# KiCad board Module_16S.kicad_pcb
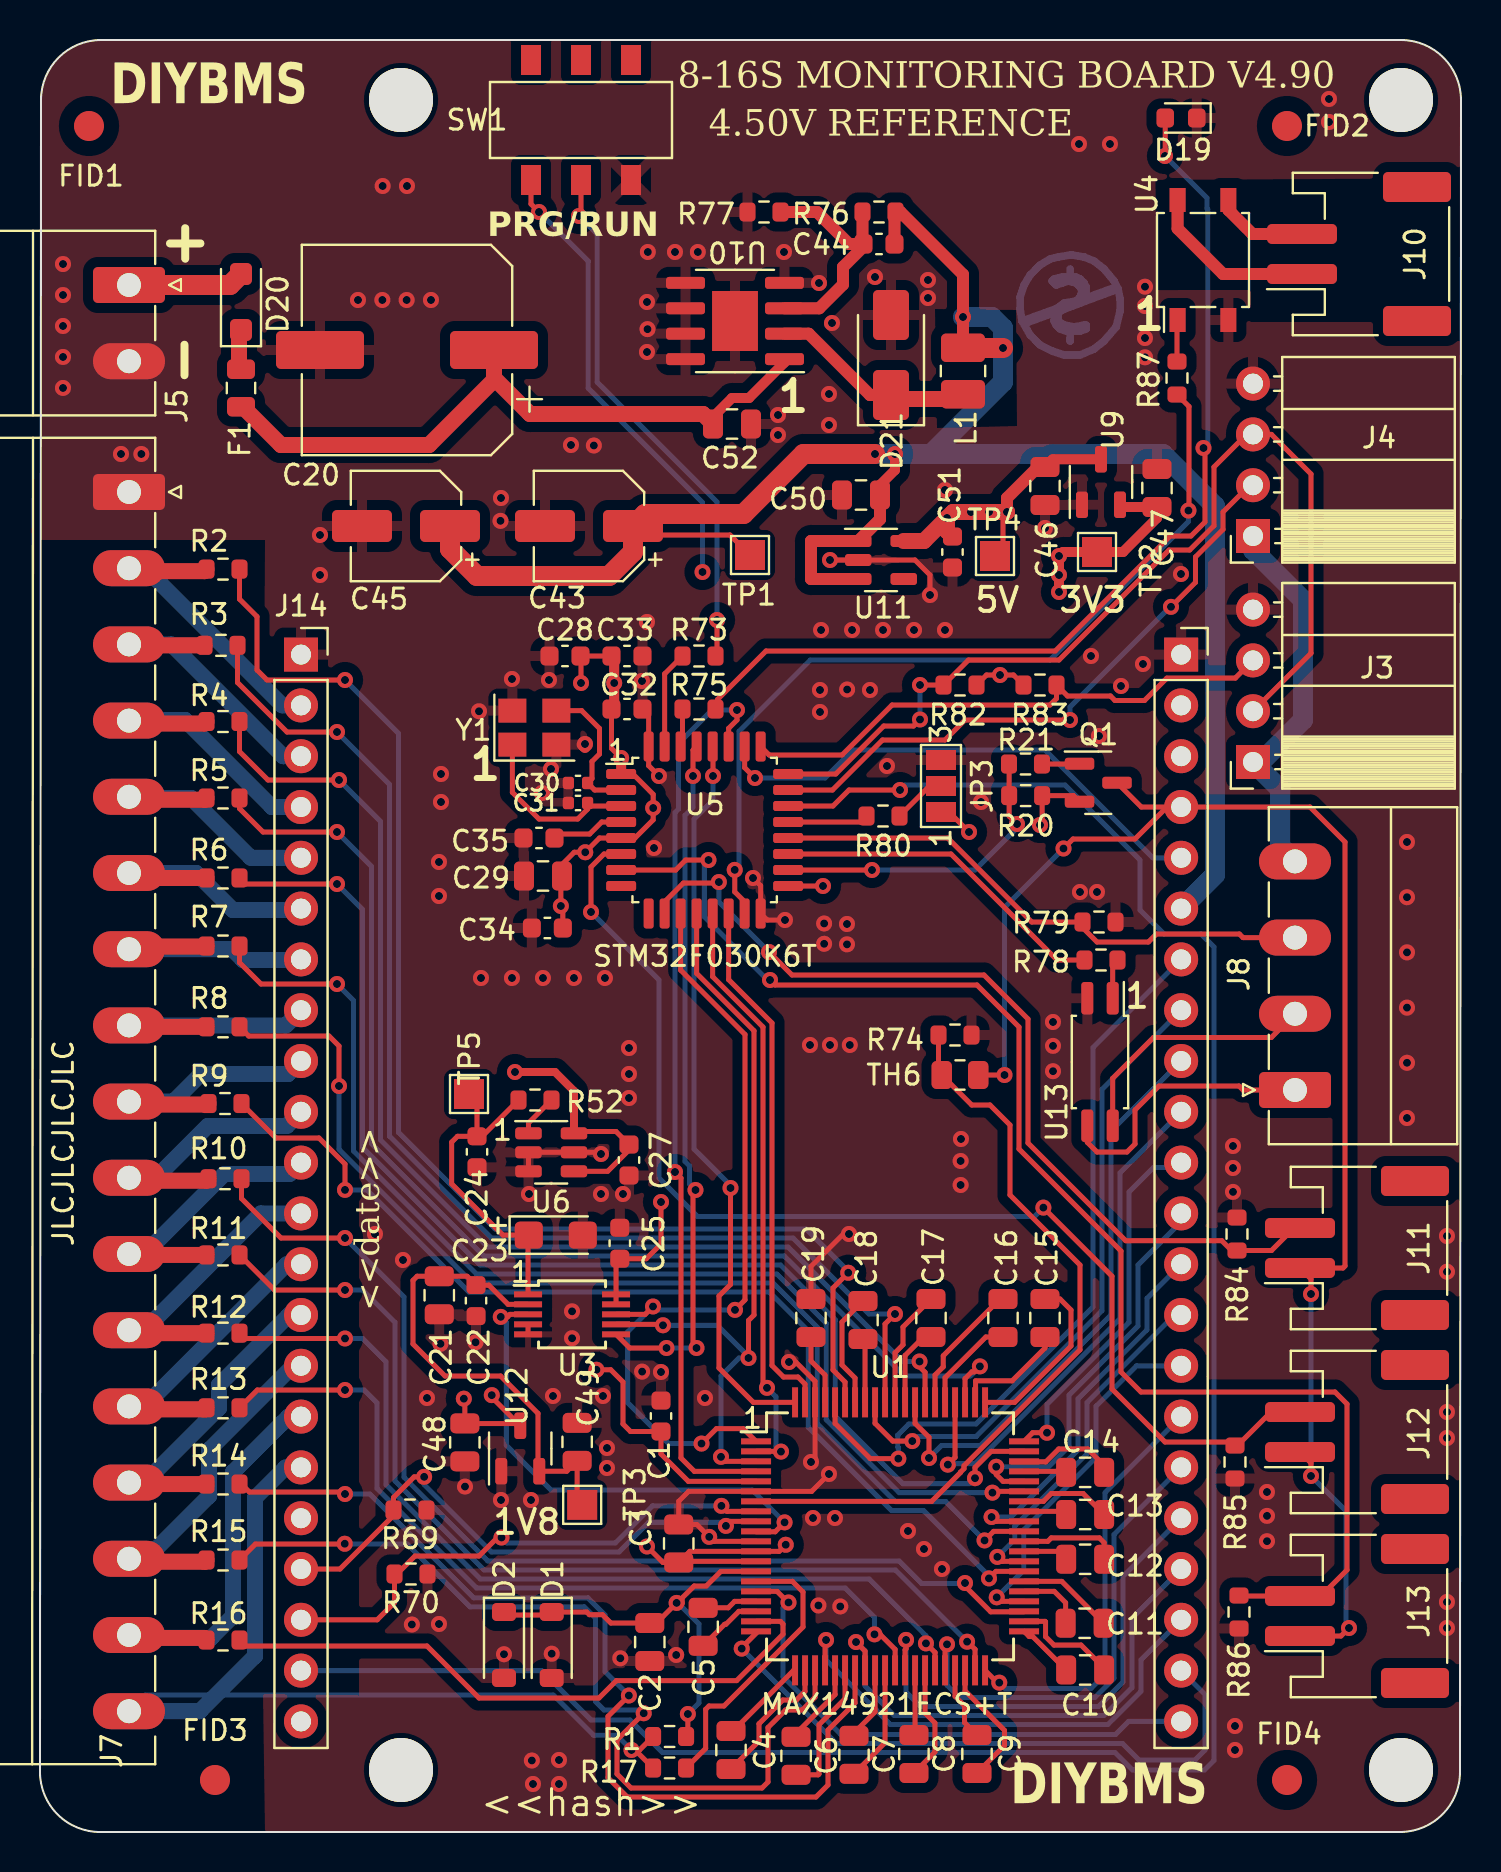
[diagram p0: board, top side]
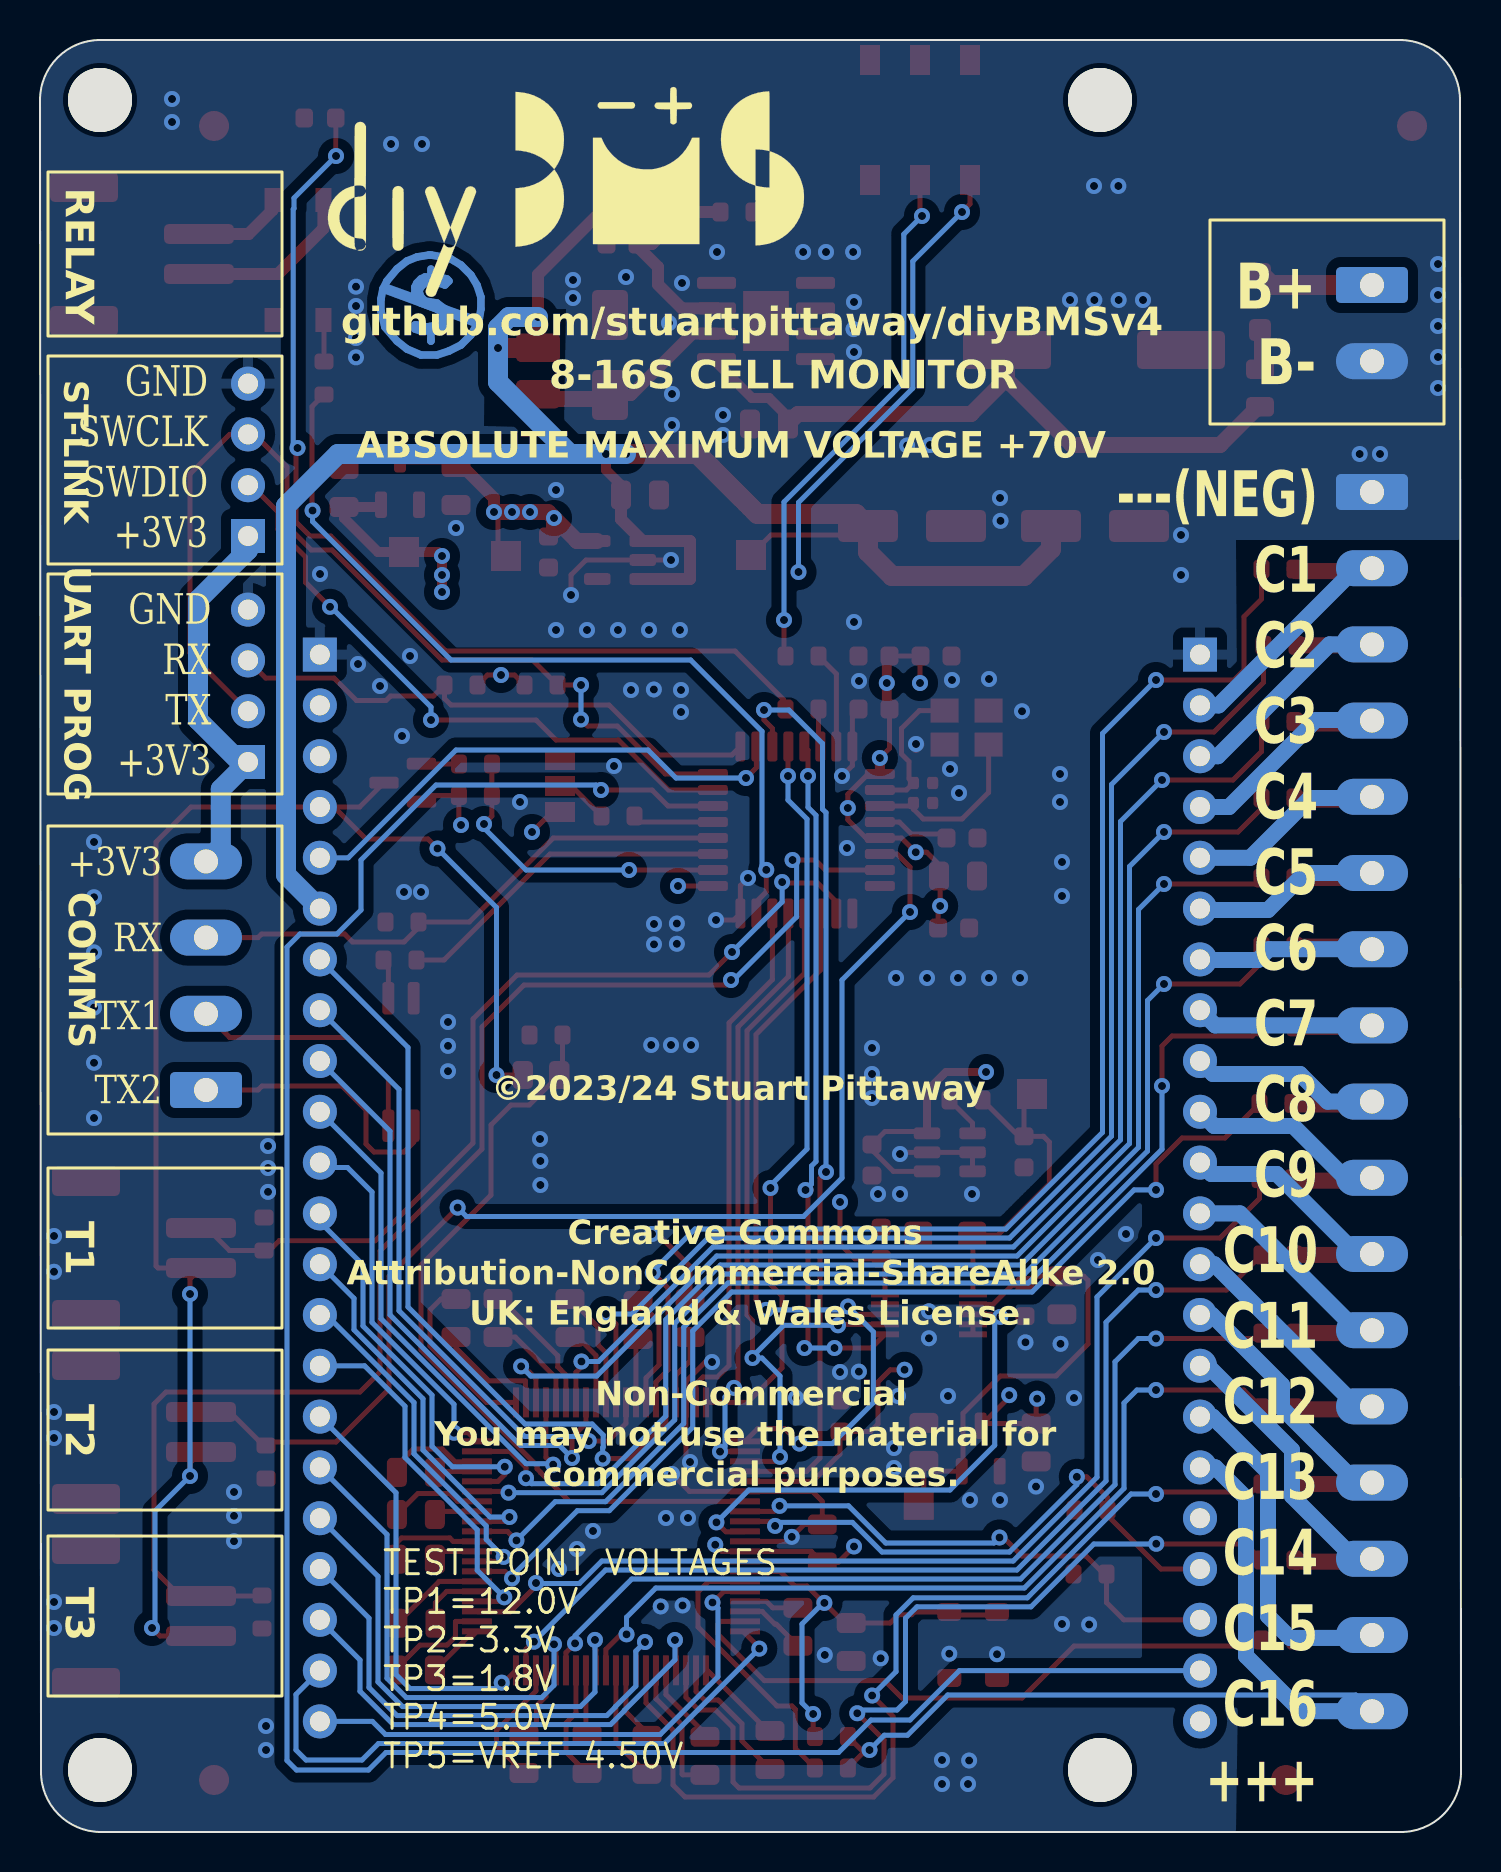
[diagram p1: board, bottom side, seen from below]

Outline 71.05 x 89.6 mm; copper layers: Top, In1.Cu (plane), In2.Cu (plane), Bottom. Coordinates in mm from the lower left corner of the outline.
Outline path: 0,3 0.05,86.6 arc(0.93,88.72) 3.05,89.6 68.05,89.6 arc(70.17,88.72) 71.05,86.6 71,3 arc(70.14,0.9) 68.05,0 3.05,0 arc(0.9,0.86) 0,3
Stack: Top 0.035mm / dielectric 0.1mm FR4 er 4.5 / In1.Cu 0.035mm / dielectric 1.24mm FR4 er 4.5 / In2.Cu 0.035mm / dielectric 0.1mm FR4 er 4.5 / Bottom 0.035mm

## Placement (name value [footprint] x y rotation side)
C1  100nF 50V  [C_0603_1608Metric]  31.05 20.8 90 top
C2  100nF 100V  [C_0805_2012Metric]  30.49 9.5 270 top
C3  1uF  [C_0805_2012Metric]  31.94 14.43 90 top
C4  1uF  [C_0805_2012Metric]  34.55 4.1 270 top
C5  1uF  [C_0805_2012Metric]  33.16 10.26 270 top
C6  1uF  [C_0805_2012Metric]  37.8 3.81 270 top
C7  1uF  [C_0805_2012Metric]  40.7 3.86 270 top
C8  1uF  [C_0805_2012Metric]  43.7 3.9 270 top
C9  1uF  [C_0805_2012Metric]  46.85 3.9 270 top
C10  1uF  [C_0805_2012Metric]  52.26 8.1 0 top
C11  1uF  [C_0805_2012Metric]  52.23 10.44 0 top
C12  1uF  [C_0805_2012Metric]  52.26 13.64 0 top
C13  1uF  [C_0805_2012Metric]  52.26 15.87 0 top
C14  1uF  [C_0805_2012Metric]  52.26 17.98 0 top
C15  1uF  [C_0805_2012Metric]  50.25 25.7 270 top
C16  1uF  [C_0805_2012Metric]  48.15 25.7 90 top
C17  1uF  [C_0805_2012Metric]  44.55 25.7 90 top
C18  1uF  [C_0805_2012Metric]  41.15 25.6 90 top
C19  1uF  [C_0805_2012Metric]  38.55 25.7 90 top
C20  33uF 100V ±20% D10xL8.4mm  [CP_Elec_10x7.9]  18.35 74.1 180 top
C21  1uF  [C_0805_2012Metric]  19.96 26.84 270 top
C22  100nF 50V  [C_0603_1608Metric]  21.8 26.57 270 top
C23  10uF tantalum  [CP_EIA-3216-18_Kemet-A]  25.79 29.84 0 top
C24  100pF  [C_0603_1608Metric]  21.85 34.01 90 top
C25  100nF 50V  [C_0603_1608Metric]  28.99 29.44 90 top
C27  2.2uF  [C_0603_1608Metric]  29.45 33.6 90 top
C28  100nF 50V  [C_0603_1608Metric]  26.25 58.8 0 top
C29  1uF  [C_0805_2012Metric]  25.15 47.8 0 top
C30  14pF  [C_0402_1005Metric]  26.9 52.45 0 top
C31  14pF  [C_0402_1005Metric]  26.9 51.45 0 top
C32  100nF 50V  [C_0603_1608Metric]  29.35 56.15 180 top
C33  4.7uF  [C_0603_1608Metric]  29.35 58.8 180 top
C34  10nF  [C_0603_1608Metric]  25.37 45.2 0 top
C35  100nF 50V  [C_0603_1608Metric]  24.95 49.7 0 top
C43  47uF 16V  [CP_Elec_5x5.4]  27.45 65.3 180 top
C44  33nF  [C_0603_1608Metric]  41.95 79.4 180 top
C45  47uF 16V  [CP_Elec_5x5.4]  18.3 65.3 180 top
C46  1uF  [C_0805_2012Metric]  50.25 67.3 270 top
C47  1uF  [C_0805_2012Metric]  55.85 67.2 90 top
C48  1uF  [C_0805_2012Metric]  21.24 19.48 270 top
C49  1uF  [C_0805_2012Metric]  26.86 19.51 90 top
C50  1uF  [C_0805_2012Metric]  41.05 66.85 180 top
C51  2.2uF  [C_0603_1608Metric]  45.63 64 270 top
C52  100nF 100V  [C_0805_2012Metric]  34.6 70.4 0 top
D1  68V, 500mW zener diode  [D_SOD-123]  25.59 9.35 270 top
D2  100V, 200mW Schottky diodes  [D_SOD-123]  23.2 9.35 270 top
D19  White  [LED_0603_1608Metric]  57.05 85.7 180 top
D20  1N4002W  [D_SOD-123F]  10.05 76.5 90 top
D21  SS210  [D_SMA]  42.55 73.85 90 top
F1  Fuse 30mA  [Fuse_0805_2012Metric]  10.05 72.2 270 top
FID1  Fiducial  [Fiducial_1.5mm_Mask3mm]  2.45 85.3 0 top
FID2  Fiducial  [Fiducial_1.5mm_Mask3mm]  62.35 85.3 0 top
FID3  Fiducial  [Fiducial_1.5mm_Mask3mm]  8.75 2.6 0 top
FID4  Fiducial  [Fiducial_1.5mm_Mask3mm]  62.35 2.6 0 top
H5  MountingHole  [MountingHole_3.2mm_M3_ISO7380]  68.05 3.1 0 top
H6  MountingHole  [MountingHole_3.2mm_M3_ISO7380]  18.05 86.6 0 top
H7  MountingHole  [MountingHole_3.2mm_M3_ISO7380]  18.05 3.1 0 top
H8  MountingHole  [MountingHole_3.2mm_M3_ISO7380]  68.05 86.6 0 top
J3  UART_PROG  [PinSocket_1x04_P2.54mm_Horizontal]  60.65 53.5 180 top
J4  ST_LINK  [PinSocket_1x04_P2.54mm_Horizontal]  60.65 64.8 180 top
J5  POWER_IN  [PhoenixContact_MC_1,5_2-G-3.81_1x02_P3.81mm_Horizontal]  4.45 77.35 270 top
J7  CELL CONNECTOR  [WJ15EDGRC-3.81-17P]  4.45 67 270 top
J8  TXRX  [PhoenixContact_MC_1,5_4-G-3.81_1x04_P3.81mm_Horizontal]  62.75 37.1 90 top
J10  RELAY  [JST_PH_S2B-PH-SM4-TB_1x02-1MP_P2.00mm_Horizontal]  65.95 78.9 90 top
J11  TEMP1  [JST_PH_S2B-PH-SM4-TB_1x02-1MP_P2.00mm_Horizontal]  65.85 29.2 90 top
J12  TEMP2  [JST_PH_S2B-PH-SM4-TB_1x02-1MP_P2.00mm_Horizontal]  65.85 20 90 top
J13  TEMP3  [JST_PH_S2B-PH-SM4-TB_1x02-1MP_P2.00mm_Horizontal]  65.85 10.8 90 top
J14  BALANCE BOARD  [PinSocket_1x22_P2.54mm_Vertical]  13.05 58.87 0 top
J15  BALANCE BOARD  [PinSocket_1x22_P2.54mm_Vertical]  57.06 58.87 0 top
JP3  SolderJumper_3_Open  [SolderJumper-3_P1.3mm_Open_Pad1.0x1.5mm_NumberLabels]  45.05 52.3 90 top
L1  100uH  [L_1008_2520Metric_Pad1.43x2.20mm_HandSolder]  46.15 73.05 90 top
Q1  AO3401A  [SOT-23]  52.91 52.46 0 top
R1  100R  [R_0603_1608Metric]  31.48 4.77 180 top
R2  3K3 1%  [R_0603_1608Metric]  9.15 63.14 180 top
R3  3K3 1%  [R_0603_1608Metric]  9.05 59.33 180 top
R4  3K3 1%  [R_0603_1608Metric]  9.15 55.52 180 top
R5  3K3 1%  [R_0603_1608Metric]  9.15 51.7 180 top
R6  3K3 1%  [R_0603_1608Metric]  9.15 47.7 180 top
R7  3K3 1%  [R_0603_1608Metric]  9.15 44.3 180 top
R8  3K3 1%  [R_0603_1608Metric]  9.15 40.26 180 top
R9  3K3 1%  [R_0603_1608Metric]  9.25 36.42 180 top
R10  3K3 1%  [R_0603_1608Metric]  9.25 32.66 180 top
R11  3K3 1%  [R_0603_1608Metric]  9.15 28.85 180 top
R12  3K3 1%  [R_0603_1608Metric]  9.15 24.94 180 top
R13  3K3 1%  [R_0603_1608Metric]  9.15 21.21 180 top
R14  3K3 1%  [R_0603_1608Metric]  9.15 17.4 180 top
R15  3K3 1%  [R_0603_1608Metric]  9.15 13.6 180 top
R16  3K3 1%  [R_0603_1608Metric]  9.15 9.6 180 top
R17  3K3 1%  [R_0603_1608Metric]  31.48 3.2 180 top
R20  10K 1%  [R_0603_1608Metric]  49.28 51.82 0 top
R21  330R  [R_0603_1608Metric]  49.27 53.4 0 top
R52  100R  [R_0603_1608Metric]  24.75 36.6 180 top
R69  10K 1%  [R_0603_1608Metric]  18.5 16.1 180 top
R70  10K 1%  [R_0603_1608Metric]  18.55 12.9 180 top
R73  10K 1%  [R_0603_1608Metric]  32.95 58.8 180 top
R74  10K 1%  [R_0603_1608Metric]  45.75 39.85 180 top
R75  3K3 1%  [R_0603_1608Metric]  32.95 56.15 180 top
R76  43K 1%  [R_0603_1608Metric]  41.95 81 180 top
R77  4.99kΩ 1%  [R_0603_1608Metric]  36.2 81 180 top
R78  330R  [R_0603_1608Metric]  53.05 43.6 0 top
R79  2K2  [R_0603_1608Metric]  52.95 45.5 0 top
R80  10K 1%  [R_0603_1608Metric]  42.15 50.8 0 top
R82  100K  [R_0603_1608Metric]  46 57.35 0 top
R83  100K  [R_0603_1608Metric]  50 57.35 180 top
R84  10K 1%  [R_0603_1608Metric]  59.85 29.9 90 top
R85  10K 1%  [R_0603_1608Metric]  59.75 18.5 270 top
R86  10K 1%  [R_0603_1608Metric]  59.95 11 270 top
R87  330R  [R_0603_1608Metric]  56.85 72.7 90 top
SW1  Boot_Mode  [MST22D18G2 125]  27.05 85.6 0 top
SYM01  -  [Symbol_CC-Noncommercial_CopperTop_Small]  51.5 76.35 180 bottom
SYM02  LOGO  [diybms_logo_24x10mm]  44.75 82 180 bottom
TH6  10K NTC  [R_0805_2012Metric]  46 37.85 180 top
TP1  TEST_12V  [TestPoint_Pad_1.5x1.5mm]  35.5 63.85 180 top
TP2  TEST_3V3  [TestPoint_Pad_1.5x1.5mm]  52.85 64 90 top
TP3  TEST_1V8  [TestPoint_Pad_1.5x1.5mm]  27.11 16.36 90 top
TP4  TEST_5V  [TestPoint_Pad_1.5x1.5mm]  47.75 63.8 0 top
TP5  TEST_VREF  [TestPoint_Pad_1.5x1.5mm]  21.45 36.9 270 top
U1  MAX14921ECS+T  [TQFP-80_12x12mm_P0.5mm]  42.5 14.78 0 top
U3  MCP33151-05-E/MS  [MSOP-10_3x3mm_P0.5mm]  26.6 25.88 0 top
U4  RELAY1  [SO-4_4.4x4.3mm_P2.54mm]  58.15 78.6 90 top
U5  STM32F030K6Tx  [LQFP-32_7x7mm_P0.8mm]  33.23 50.1 0 top
U6  MCP1502T-45E/CHY  [SOT-23-6]  25.56 33.98 0 top
U9  XC6206-3.3V  [SOT-23-3]  53.05 67.5 90 top
U10  XL7005A  [SOIC-8-1EP_3.9x4.9mm_P1.27mm_EP2.29x3mm]  34.75 75.55 180 top
U11  AP2204K-5.0TRG1  [SOT-23-5]  42.05 63.6 0 top
U12  XC6206-1.8NR  [SOT-23-3]  24.01 19.18 90 top
U13  EL3H7(B)(TA)-G  [SOP-4_4.4x2.6mm_P1.27mm]  53 38.5 270 top
Y1  8MHZ  [Crystal_SMD_3225-4Pin_3.2x2.5mm]  24.72 55.22 0 top

## Library data of the parts
C1 C22 C25 C28 C32 C35 = -: Description: Unpolarized capacitor; LCSCStockCode: C14663; PartNumber: CC0603KRX7R9BB104
C2 = -: Description: Unpolarized capacitor; LCSCStockCode: C28233; PartNumber: CL21B104KCFNNNE
C3 C21 C29 = -: Description: Unpolarized capacitor; LCSCStockCode: C28323; PartNumber: CL21B105KBFNNNE
C4-C19 C46-C50 = -: Description: Unpolarized capacitor, small symbol; LCSCStockCode: C28323; PartNumber: CL21B105KBFNNNE
C20 = -: Description: Polarized capacitor; LCSCStockCode: C486954; PartNumber: VK7E0842A330MV
C23 = -: Description: Polarized capacitor; LCSCStockCode: C7171; PartNumber: TAJA106K016RNJ
C24 = -: Description: Unpolarized capacitor; LCSCStockCode: C14858; PartNumber: CL10C101JB8NNNC
C27 = -: Description: Unpolarized capacitor; LCSCStockCode: C23630; PartNumber: CL10A225KO8NNNC
C30 C31 = -: Description: Unpolarized capacitor, small symbol; LCSCStockCode: C458857; PartNumber: 0402N140J500CT
C33 = -: Description: Unpolarized capacitor; LCSCStockCode: C19666; PartNumber: CL10A475KO8NNNC
C34 = -: Description: Unpolarized capacitor; LCSCStockCode: C57112; PartNumber: 0603B103K500NT
C43 C45 = -: Description: Polarized capacitor; LCSCStockCode: C3337; PartNumber: RVT1C470M0505
C44 = -: Description: Unpolarized capacitor, small symbol; LCSCStockCode: C113810; PartNumber: CC0603KRX7R8BB333
C51 = -: Description: Unpolarized capacitor, small symbol; LCSCStockCode: C23630; PartNumber: CL10A225KO8NNNC
C52 = -: Description: Unpolarized capacitor, small symbol; LCSCStockCode: C28233; PartNumber: CL21B104KCFNNNE
D1 = -: Description: Diode; LCSCStockCode: C242416; PartNumber: MMSZ5266BT1G
D2 = -: Description: Diode; LCSCStockCode: C83152; PartNumber: BAT46W-7-F
D19 = -: Description: Light emitting diode; LCSCStockCode: C2290
D20 = -: Description: 1000V 1A General Purpose Rectifier Diode, DO-41; LCSCStockCode: C169542
D21 = -: Description: Schottky diode; LCSCStockCode: C432298
F1 = -: Description: Resettable fuse, polymeric positive temperature coefficient, small symbol; LCSCStockCode: C19273358; PartNumber: 0805L003/80XR
FID1-FID4 = -: Description: Fiducial Marker
H5-H8 = -: Description: Mounting Hole without connection
J3 J4 = -: Description: Generic connector, single row, 01x04, script generated; LCSCStockCode: C2897386; PartNumber: PM254-1-04-W-8.5
J5 = -: Description: Generic connector, single row, 01x02, script generated; LCSCStockCode: C8387; PartNumber: WJ15EDGRC-3.81-2P
J7 = -: Description: Generic connector, single row, 01x17, script generated (kicad-library-utils/schlib/autogen/connector/); LCSCStockCode: C430372; PartNumber: DB2ERC-3.81-17P-GN
J8 = -: Description: Generic connector, single row, 01x04, script generated; LCSCStockCode: C7245; PartNumber: WJ15EDGRC-3.81-4P
J10-J13 = -: Description: Generic connector, single row, 01x02, script generated (kicad-library-utils/schlib/autogen/connector/); LCSCStockCode: C295747; PartNumber: S2B-PH-SM4-TB(LF)(SN)
J14 J15 = -: Description: Generic connector, single row, 01x22, script generated (kicad-library-utils/schlib/autogen/connector/); LCSCStockCode: C2886702; PartNumber: CS-1165SDIG-1*22
JP3 = -: Description: Solder Jumper, 3-pole, open
L1 = -: Description: Inductor; LCSCStockCode: C286551; PartNumber: NLV25T-101J-EF
Q1 = -: Description: -4.0A Id, -30V Vds, P-Channel MOSFET, SOT-23; LCSCStockCode: C15127
R1 R52 = -: Description: Resistor; LCSCStockCode: C22775; PartNumber: 0603WAF1000T5E
R2-R17 R75 = -: Description: Resistor, small symbol; LCSCStockCode: C22978; PartNumber: 0603WAF3301T5E
R20 R69 R70 R74 = -: Description: Resistor; LCSCStockCode: C25804; PartNumber: 0603WAF1002T5E
R21 = -: Description: Resistor; LCSCStockCode: C23138; PartNumber: 0603WAF3300T5E
R73 R80 R84-R86 = -: Description: Resistor, small symbol; LCSCStockCode: C25804; PartNumber: 0603WAF1002T5E
R76 = -: Description: Resistor, small symbol; LCSCStockCode: C23172; PartNumber: 0603WAF4302T5E
R77 = -: Description: Resistor, small symbol; LCSCStockCode: C23046; PartNumber: 0603WAF4991T5E
R78 R87 = -: Description: Resistor, small symbol; LCSCStockCode: C23138; PartNumber: 0603WAF3300T5E
R79 = -: Description: Resistor, small symbol; LCSCStockCode: C4190; PartNumber: 0603WAF2201T5E
R82 R83 = -: Description: Resistor, small symbol; LCSCStockCode: C25803; PartNumber: 0603WAF1003T5E
SW1 = -: Description: Switch, dual pole double throw, separate symbols; LCSCStockCode: C2906280
TH6 = -: Description: Temperature dependent resistor, negative temperature coefficient; LCSCStockCode: C51597; PartNumber: CMFB103F3950FANT
TP1-TP5 = -: Description: test point (alternative flag-style design)
U1 = -: Description: battery measurement analog front-end; LCSCStockCode: C2932577
U3 = -: Description: 14-bit Analog-to-Digital Converter (ADC); LCSCStockCode: C635984
U4 = -: Description: Form A, Solid State Relay (Photo MOSFET) 60V, 0.2A, 10Ohm, SO-4; LCSCStockCode: C2691601; PartNumber: LT219-1
U5 = -: Description: STMicroelectronics Arm Cortex-M0 MCU, 32KB flash, 4KB RAM, 48 MHz, 2.4-3.6V, 25 GPIO, LQFP32; LCSCStockCode: C46830; PartNumber: STM32F030K6T6
U6 = -: Description: Voltage Reference Fixed 4.5V; LCSCStockCode: C5236158
U9 = -: Description: Positive 60-250mA Low Dropout Regulator, Fixed Output, SOT-23; LCSCStockCode: C2891841
U10 = -: Description: Buck DC/DC Converter, 0.4A, Max 100V Input Voltage; LCSCStockCode: C50848
U11 = -: Description: 150mA low dropout linear regulator, wide input voltage range, 5.0V fixed positive output, SOT-23-5; LCSCStockCode: C112031
U12 = -: Description: Positive 60-250mA Low Dropout Regulator, Fixed Output, SOT-23; LCSCStockCode: C2984870
U13 = -: Description: DC Optocoupler, Vce 35V, CTR 50-300%, DIP-4; LCSCStockCode: C32565
Y1 = -: Description: Four pin crystal, GND on pins 2 and 4, small symbol; LCSCStockCode: C400090; PartNumber: TAXM8M4RDBCCT2T

## Footprints (pads in the part's own frame, mm; a bottom-side part is the same pattern mirrored in y, then rotated)
C_0402_1005Metric
  rrect 0.56x0.62 smd: 1(-0.48,0) 2(0.48,0)
C_0603_1608Metric
  rrect 0.9x0.95 smd: 1(-0.775,0) 2(0.775,0)
C_0805_2012Metric
  rrect 1x1.45 smd: 1(-0.95,0) 2(0.95,0)
CP_EIA-3216-18_Kemet-A
  rrect 1.4x1.35 smd: 1(-1.35,0) 2(1.35,0)
CP_Elec_5x5.4
  rrect 3x1.6 smd: 1(-2.2,0) 2(2.2,0)
CP_Elec_10x7.9
  rrect 4.4x1.9 smd: 1(-4.35,0) 2(4.35,0)
Crystal_SMD_3225-4Pin_3.2x2.5mm
  rect 1.4x1.2 smd: 1(-1.1,-0.85) 2(1.1,-0.85) 3(1.1,0.85) 4(-1.1,0.85)
D_SMA
  rrect 2.5x1.8 smd: 1(-2,0) 2(2,0)
D_SOD-123
  rrect 0.9x1.2 smd: 1(-1.65,0) 2(1.65,0)
D_SOD-123F
  rrect 1.1x1.1 smd: 1(-1.4,0) 2(1.4,0)
Fiducial_1.5mm_Mask3mm
  round 1.5 smd: (0,0)
Fuse_0805_2012Metric
  rrect 0.975x1.4 smd: 1(-0.938,0) 2(0.938,0)
JST_PH_S2B-PH-SM4-TB_1x02-1MP_P2.00mm_Horizontal
  rrect 1x3.5 smd: 1(-1,2.85) 2(1,2.85)
  rrect 1.5x3.4 smd: MP(-3.35,-2.9) MP(3.35,-2.9)
L_1008_2520Metric_Pad1.43x2.20mm_HandSolder
  rrect 1.425x2.2 smd: 1(-1.163,0) 2(1.163,0)
LED_0603_1608Metric
  rrect 0.875x0.95 smd: 1(-0.787,0) 2(0.787,0)
LQFP-32_7x7mm_P0.8mm
  rrect 1.5x0.5 smd: 1(-4.175,2.8) 2(-4.175,2) 3(-4.175,1.2) 4(-4.175,0.4) 5(-4.175,-0.4) 6(-4.175,-1.2) 7(-4.175,-2) 8(-4.175,-2.8) 17(4.175,-2.8) 18(4.175,-2) 19(4.175,-1.2) 20(4.175,-0.4) 21(4.175,0.4) 22(4.175,1.2) 23(4.175,2) 24(4.175,2.8)
  rrect 0.5x1.5 smd: 9(-2.8,-4.175) 10(-2,-4.175) 11(-1.2,-4.175) 12(-0.4,-4.175) 13(0.4,-4.175) 14(1.2,-4.175) 15(2,-4.175) 16(2.8,-4.175) 25(2.8,4.175) 26(2,4.175) 27(1.2,4.175) 28(0.4,4.175) 29(-0.4,4.175) 30(-1.2,4.175) 31(-2,4.175) 32(-2.8,4.175)
MountingHole_3.2mm_M3_ISO7380
  round 3.2 hole 3.2 unplated: (0,0)
MSOP-10_3x3mm_P0.5mm
  rect 1.4x0.3 smd: 1(-2.2,1) 2(-2.2,0.5) 3(-2.2,0) 4(-2.2,-0.5) 5(-2.2,-1) 6(2.2,-1) 7(2.2,-0.5) 8(2.2,0) 9(2.2,0.5) 10(2.2,1)
MST22D18G2 125
  rect 1x1.5 smd: 1(-2.5,-3) 2(0,-3) 3(2.5,-3) 4(2.5,3) 5(0,3) 6(-2.5,3)
PhoenixContact_MC_1,5_2-G-3.81_1x02_P3.81mm_Horizontal
  rrect 1.8x3.6 hole 1.2: 1(0,0)
  oval 1.8x3.6 hole 1.2: 2(3.81,0)
PhoenixContact_MC_1,5_4-G-3.81_1x04_P3.81mm_Horizontal
  rrect 1.8x3.6 hole 1.2: 1(0,0)
  oval 1.8x3.6 hole 1.2: 2(3.81,0) 3(7.62,0) 4(11.43,0)
PinSocket_1x04_P2.54mm_Horizontal
  rect 1.7x1.7 hole 1: 1(0,0)
  oval 1.7x1.7 hole 1: 2(0,-2.54) 3(0,-5.08) 4(0,-7.62)
PinSocket_1x22_P2.54mm_Vertical
  rect 1.7x1.7 hole 1: 1(0,0)
  oval 1.7x1.7 hole 1: 2(0,-2.54) 3(0,-5.08) 4(0,-7.62) 5(0,-10.16) 6(0,-12.7) 7(0,-15.24) 8(0,-17.78) 9(0,-20.32) 10(0,-22.86) 11(0,-25.4) 12(0,-27.94) 13(0,-30.48) 14(0,-33.02) 15(0,-35.56) 16(0,-38.1) 17(0,-40.64) 18(0,-43.18) 19(0,-45.72) 20(0,-48.26) 21(0,-50.8) 22(0,-53.34)
R_0603_1608Metric
  rrect 0.8x0.95 smd: 1(-0.825,0) 2(0.825,0)
R_0805_2012Metric
  rrect 1.025x1.4 smd: 1(-0.912,0) 2(0.912,0)
SO-4_4.4x4.3mm_P2.54mm
  rect 1.2x0.8 smd: 1(-3,1.27) 2(-3,-1.27) 3(3,-1.27) 4(3,1.27)
SOIC-8-1EP_3.9x4.9mm_P1.27mm_EP2.29x3mm
  rrect 0.92x1.21 smd: (-0.57,0.75) (-0.57,-0.75) (0.57,0.75) (0.57,-0.75)
  rrect 1.95x0.6 smd: 1(-2.475,1.905) 2(-2.475,0.635) 3(-2.475,-0.635) 4(-2.475,-1.905) 5(2.475,-1.905) 6(2.475,-0.635) 7(2.475,0.635) 8(2.475,1.905)
  rect 2.29x3 smd: 9(0,0)
SolderJumper-3_P1.3mm_Open_Pad1.0x1.5mm_NumberLabels
  rect 1x1.5 smd: 1(-1.3,0) 2(0,0) 3(1.3,0)
SOP-4_4.4x2.6mm_P1.27mm
  rrect 1.625x0.6 smd: 1(-3.188,0.635) 2(-3.188,-0.635) 3(3.188,-0.635) 4(3.188,0.635)
SOT-23
  rrect 1.475x0.6 smd: 1(-0.938,0.95) 2(-0.938,-0.95) 3(0.938,0)
SOT-23-3
  rrect 1.325x0.6 smd: 1(-1.137,0.95) 2(-1.137,-0.95) 3(1.137,0)
SOT-23-5
  rrect 1.325x0.6 smd: 1(-1.137,0.95) 2(-1.137,0) 3(-1.137,-0.95) 4(1.137,-0.95) 5(1.137,0.95)
SOT-23-6
  rrect 1.325x0.6 smd: 1(-1.137,0.95) 2(-1.137,0) 3(-1.137,-0.95) 4(1.137,-0.95) 5(1.137,0) 6(1.137,0.95)
TestPoint_Pad_1.5x1.5mm
  rect 1.5x1.5 smd: 1(0,0)
TQFP-80_12x12mm_P0.5mm
  rect 1.5x0.3 smd: 1(-6.7,4.75) 2(-6.7,4.25) 3(-6.7,3.75) 4(-6.7,3.25) 5(-6.7,2.75) 6(-6.7,2.25) 7(-6.7,1.75) 8(-6.7,1.25) 9(-6.7,0.75) 10(-6.7,0.25) 11(-6.7,-0.25) 12(-6.7,-0.75) 13(-6.7,-1.25) 14(-6.7,-1.75) 15(-6.7,-2.25) 16(-6.7,-2.75) 17(-6.7,-3.25) 18(-6.7,-3.75) 19(-6.7,-4.25) 20(-6.7,-4.75) 41(6.7,-4.75) 42(6.7,-4.25) 43(6.7,-3.75) 44(6.7,-3.25) 45(6.7,-2.75) 46(6.7,-2.25) 47(6.7,-1.75) 48(6.7,-1.25) 49(6.7,-0.75) 50(6.7,-0.25) 51(6.7,0.25) 52(6.7,0.75) 53(6.7,1.25) 54(6.7,1.75) 55(6.7,2.25) 56(6.7,2.75) 57(6.7,3.25) 58(6.7,3.75) 59(6.7,4.25) 60(6.7,4.75)
  rect 0.3x1.5 smd: 21(-4.75,-6.7) 22(-4.25,-6.7) 23(-3.75,-6.7) 24(-3.25,-6.7) 25(-2.75,-6.7) 26(-2.25,-6.7) 27(-1.75,-6.7) 28(-1.25,-6.7) 29(-0.75,-6.7) 30(-0.25,-6.7) 31(0.25,-6.7) 32(0.75,-6.7) 33(1.25,-6.7) 34(1.75,-6.7) 35(2.25,-6.7) 36(2.75,-6.7) 37(3.25,-6.7) 38(3.75,-6.7) 39(4.25,-6.7) 40(4.75,-6.7) 61(4.75,6.7) 62(4.25,6.7) 63(3.75,6.7) 64(3.25,6.7) 65(2.75,6.7) 66(2.25,6.7) 67(1.75,6.7) 68(1.25,6.7) 69(0.75,6.7) 70(0.25,6.7) 71(-0.25,6.7) 72(-0.75,6.7) 73(-1.25,6.7) 74(-1.75,6.7) 75(-2.25,6.7) 76(-2.75,6.7) 77(-3.25,6.7) 78(-3.75,6.7) 79(-4.25,6.7) 80(-4.75,6.7)
WJ15EDGRC-3.81-17P
  rrect 1.8x3.6 hole 1.2: 1(0,0)
  oval 1.8x3.6 hole 1.2: 2(3.81,0) 3(7.62,0) 4(11.43,0) 5(15.24,0) 6(19.05,0) 7(22.86,0) 8(26.67,0) 9(30.48,0) 10(34.29,0) 11(38.1,0) 12(41.91,0) 13(45.72,0) 14(49.53,0) 15(53.34,0) 16(57.15,0) 17(60.96,0)
